# Altium PCB FlexiCan.PcbDoc (part 1 of 2) (continued)
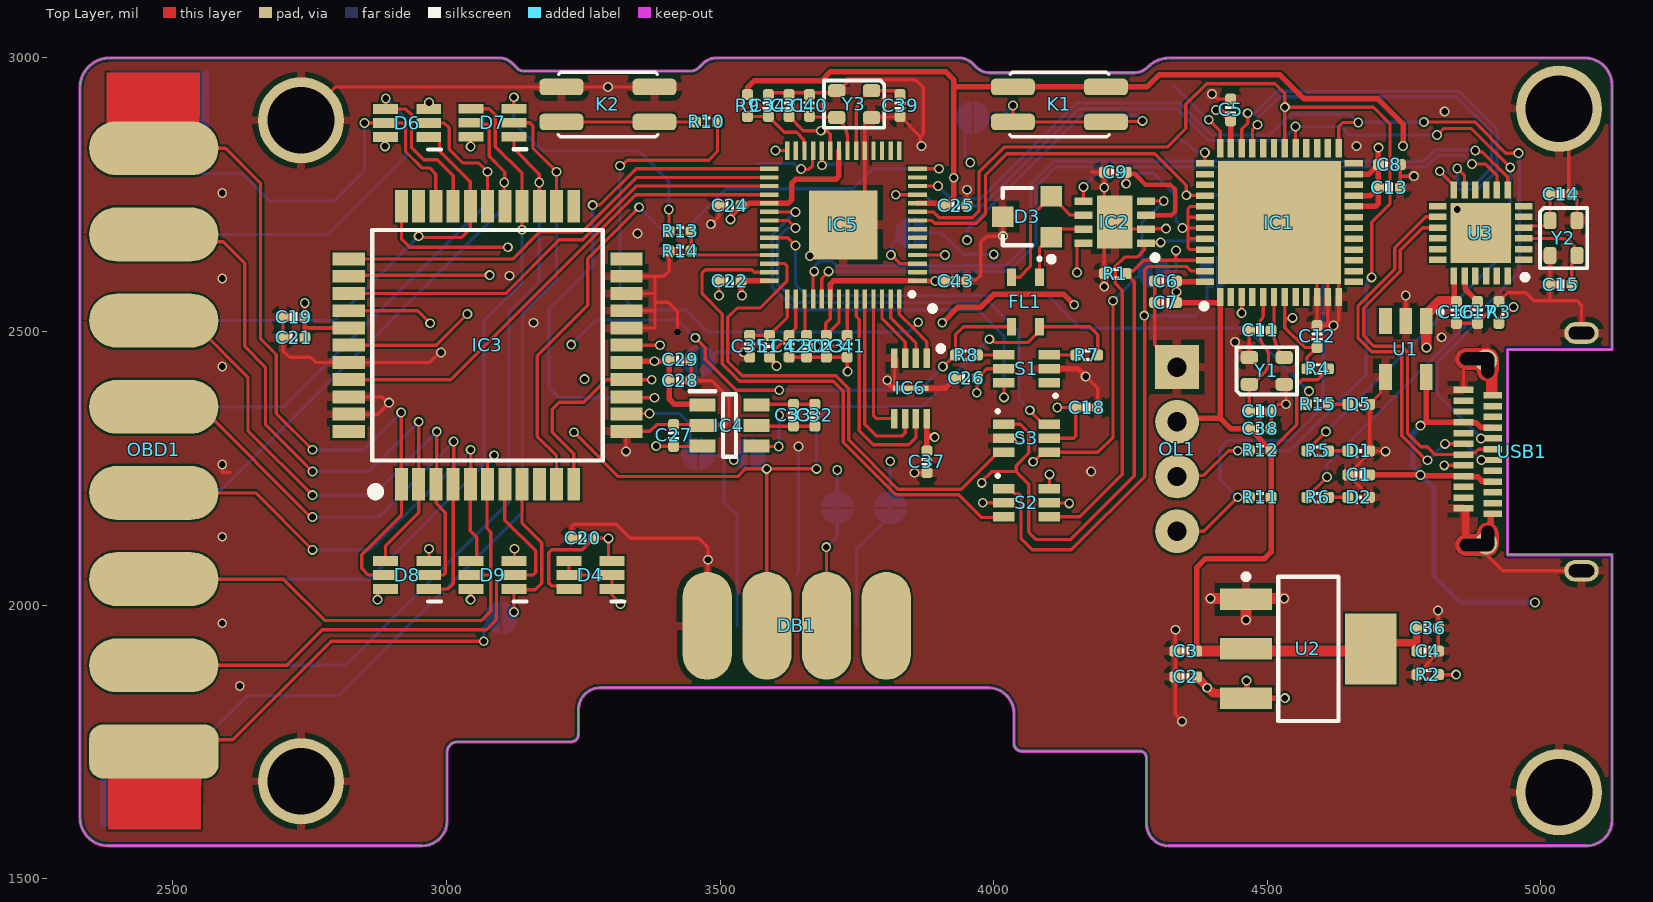
[diagram p0: Top Layer view]
## Footprints (in the part's own frame and the unit in brackets; to place one, negate y for a bottom-side part, rotate by r counter-clockwise, add the part's x,y. Pads: shape width x height; smd on the part's side, far side on the other; paste and mask are expansions set on the pad)
ACM25203012P [mm]
  rect 0.8x0.4 smd: 1(-1.15,0.65) 2(-1.15,-0.65) 3(1.15,-0.65) 4(1.15,0.65)
  silkscreen extent -2.05,0.6 -1.95,0.7, body extent -1.51,-1 1.51,1, height 1.4
ButtonTACT_3.5*3.55_90 [mil]
  rrect50% 80x30 smd: 1(-85,32) 2(-85,-32) 3(85,32) 4(85,-32)
  silkscreen extent -91,-59 91,59, body extent -90,-55 91,85, height 56
CAP_0402 [mil]
  rrect50% 20x20 smd: 1(-20,0) 2(20,0)
  silkscreen extent -6,-9 6,9, body extent -20,-10 20,10, height 20
"DB-9 DS1033-9F" [mm] "DB-9 DS1033-9F COM- Female"
  rect 2.286x5 smd far side: 1(-5.54,2.84)
  oval 2.286x5 smd far side: 2(-2.77,2.84) 3(0,2.84) 4(2.77,2.84) 5(5.54,2.84)
  oval 2.286x5 smd: 6(-4.155,2.84) 7(-1.385,2.84) 8(1.385,2.84) 9(4.155,2.84)
  body extent -15.4,-11.49 15.4,3.61, height 5.35
IND_0402Q [mil]
  rrect50% 20x20 smd: 1(-20,0) 2(20,0)
  silkscreen extent -7,-9 7,9, body extent -20,-10 20,10, height 20
LED_0402_BLUE [mil]
  rrect50% 20x20 smd: 1(-20,0) 2(20,0)
  silkscreen extent -6,-10 6,10, body extent -20,-10 20,10, height 18
LED_0402_GREEN [mil]
  rrect50% 20x20 smd: 1(-20,0) 2(20,0)
  silkscreen extent -6,-10 6,10, body extent -20,-10 20,10, height 18
LED_0402_RED [mil]
  rrect50% 20x20 smd: 1(-20,0) 2(20,0)
  silkscreen extent -6,-10 6,10, body extent -20,-10 20,10, height 18
Molex_217184-0001 [mm]
  rrect100% 0.6x1.6 hole 1.6 slot 0.6 at 0 deg paste-2539.97 mask+0: 1(-4.32,3.35) 2(4.32,3.35)
  round 1.04 smd paste-1000 mask+0: 1(-4.243,2.927) 2(4.242,2.927)
  round 1.04 smd far side paste-1000 mask+0: 1(-4.243,2.927) 2(4.242,2.927)
  rrect100% 1.2x0.6 hole 0.6 slot 1.2 at 0 deg paste-2539.97 mask+0: 1(-4.02,2.85) 2(4.02,2.85)
  rrect100% 1x1.6 hole 1.2 slot 0.6 at 0 deg paste-2539.97 mask+0: 3(-5.52,-1.5) 4(5.52,-1.5)
  rect 0.3x0.95 smd paste+0 mask+0: A1(-2.625,3.975) A2(-2.125,3.975) A3(-1.625,3.975) A4(-1.125,3.975) A5(-0.625,3.975) A6(-0.125,3.975) A7(0.375,3.975) A8(0.875,3.975) A9(1.375,3.975) A10(1.875,3.975) A11(2.375,3.975) A12(2.875,3.975)
  rect 0.3x0.85 smd paste+0 mask+0: B1(2.625,2.625) B2(2.125,2.625) B3(1.625,2.625) B4(1.125,2.625) B5(0.625,2.625) B6(0.125,2.625) B7(-0.375,2.625) B8(-0.875,2.625) B9(-1.375,2.625) B10(-1.875,2.625) B11(-2.375,2.625) B12(-2.875,2.625)
  Top Layer region: 4.82,3.85 4.82,2.85 4.782,2.659 4.674,2.496 4.511,2.388 4.32,2.35 4.32,2.35 3.78,2.35 3.589,2.388 3.426,2.496 3.318,2.659 3.28,2.85 3.28,2.85 3.318,3.041 3.426,3.204 3.589,3.312 3.78,3.35 3.78,3.35 3.795,3.353 3.808,3.362 3.817,3.375 3.82,3.39 3.82,3.39 3.82,3.85 3.858,4.041 3.966,4.204 4.129,4.312 4.32,4.35 4.32,4.35 4.57,4.283 4.753,4.1 4.82,3.85 4.82,3.85
  Top Layer region: -4.82,3.85 -4.82,2.85 -4.782,2.659 -4.674,2.496 -4.511,2.388 -4.32,2.35 -4.32,2.35 -3.78,2.35 -3.589,2.388 -3.426,2.496 -3.318,2.659 -3.28,2.85 -3.28,2.85 -3.318,3.041 -3.426,3.204 -3.589,3.312 -3.78,3.35 -3.78,3.35 -3.795,3.353 -3.808,3.362 -3.817,3.375 -3.82,3.39 -3.82,3.39 -3.82,3.85 -3.858,4.041 -3.966,4.204 -4.129,4.312 -4.32,4.35 -4.32,4.35 -4.57,4.283 -4.753,4.1 -4.82,3.85 -4.82,3.85
  Bottom Layer region: -4.82,3.85 -4.82,2.85 -4.782,2.659 -4.674,2.496 -4.511,2.388 -4.32,2.35 -4.32,2.35 -3.78,2.35 -3.589,2.388 -3.426,2.496 -3.318,2.659 -3.28,2.85 -3.28,2.85 -3.318,3.041 -3.426,3.204 -3.589,3.312 -3.78,3.35 -3.78,3.35 -3.795,3.353 -3.808,3.362 -3.817,3.375 -3.82,3.39 -3.82,3.39 -3.82,3.85 -3.858,4.041 -3.966,4.204 -4.129,4.312 -4.32,4.35 -4.32,4.35 -4.57,4.283 -4.753,4.1 -4.82,3.85 -4.82,3.85
  Bottom Layer region: 4.82,3.85 4.82,2.85 4.782,2.659 4.674,2.496 4.511,2.388 4.32,2.35 4.32,2.35 3.78,2.35 3.589,2.388 3.426,2.496 3.318,2.659 3.28,2.85 3.28,2.85 3.318,3.041 3.426,3.204 3.589,3.312 3.78,3.35 3.78,3.35 3.795,3.353 3.808,3.362 3.817,3.375 3.82,3.39 3.82,3.39 3.82,3.85 3.858,4.041 3.966,4.204 4.129,4.312 4.32,4.35 4.32,4.35 4.57,4.283 4.753,4.1 4.82,3.85 4.82,3.85
  body extent -6.12,-4.15 6.12,4.55, height 0.25
"OLED 0.91 I2C" [mil]
  rect 80x80 hole 35.43: 1(0,0.04)
  round 80 hole 35.43: 2(0,100.04) 3(0,200.04) 4(0,300.04)
  body extent -64,-92 1444,384, height 209
QFN50P400X400X80-25N-D [mm]
  rect 0.8x0.3 smd: 1(-2,1.25) 2(-2,0.75) 3(-2,0.25) 4(-2,-0.25) 5(-2,-0.75) 6(-2,-1.25) 13(2,-1.25) 14(2,-0.75) 15(2,-0.25) 16(2,0.25) 17(2,0.75) 18(2,1.25)
  rect 0.3x0.8 smd: 7(-1.25,-2) 8(-0.75,-2) 9(-0.25,-2) 10(0.25,-2) 11(0.75,-2) 12(1.25,-2) 19(1.25,2) 20(0.75,2) 21(0.25,2) 22(-0.25,2) 23(-0.75,2) 24(-1.25,2)
  rect 2.8x2.8 smd: 25(0,0)
  silkscreen extent -2.18,1.93 -1.93,2.17, body extent -2.05,-2.05 2.05,2.05, height 0.8
QFN50P700X700X65-49N-D [mm]
  rect 0.85x0.3 smd: 1(-3.45,2.75) 2(-3.45,2.25) 3(-3.45,1.75) 4(-3.45,1.25) 5(-3.45,0.75) 6(-3.45,0.25) 7(-3.45,-0.25) 8(-3.45,-0.75) 9(-3.45,-1.25) 10(-3.45,-1.75) 11(-3.45,-2.25) 12(-3.45,-2.75) 25(3.45,-2.75) 26(3.45,-2.25) 27(3.45,-1.75) 28(3.45,-1.25) 29(3.45,-0.75) 30(3.45,-0.25) 31(3.45,0.25) 32(3.45,0.75) 33(3.45,1.25) 34(3.45,1.75) 35(3.45,2.25) 36(3.45,2.75)
  rect 0.3x0.85 smd: 13(-2.75,-3.45) 14(-2.25,-3.45) 15(-1.75,-3.45) 16(-1.25,-3.45) 17(-0.75,-3.45) 18(-0.25,-3.45) 19(0.25,-3.45) 20(0.75,-3.45) 21(1.25,-3.45) 22(1.75,-3.45) 23(2.25,-3.45) 24(2.75,-3.45) 37(2.75,3.45) 38(2.25,3.45) 39(1.75,3.45) 40(1.25,3.45) 41(0.75,3.45) 42(0.25,3.45) 43(-0.25,3.45) 44(-0.75,3.45) 45(-1.25,3.45) 46(-1.75,3.45) 47(-2.25,3.45) 48(-2.75,3.45)
  rect 5.7x5.7 smd: 49(0,0)
  silkscreen extent -4,3.37 -3.75,3.62, body extent -3.55,-3.55 3.55,3.55, height 0.65
QFP80P1350X1350X150-44N [mm]
  rect 1.5x0.6 smd: 1(-6.45,4) 2(-6.45,3.2) 3(-6.45,2.4) 4(-6.45,1.6) 5(-6.45,0.8) 6(-6.45,0) 7(-6.45,-0.8) 8(-6.45,-1.6) 9(-6.45,-2.4) 10(-6.45,-3.2) 11(-6.45,-4) 23(6.45,-4) 24(6.45,-3.2) 25(6.45,-2.4) 26(6.45,-1.6) 27(6.45,-0.8) 28(6.45,0) 29(6.45,0.8) 30(6.45,1.6) 31(6.45,2.4) 32(6.45,3.2) 33(6.45,4)
  rect 0.6x1.5 smd: 12(-4,-6.45) 13(-3.2,-6.45) 14(-2.4,-6.45) 15(-1.6,-6.45) 16(-0.8,-6.45) 17(0,-6.45) 18(0.8,-6.45) 19(1.6,-6.45) 20(2.4,-6.45) 21(3.2,-6.45) 22(4,-6.45) 34(4,6.45) 35(3.2,6.45) 36(2.4,6.45) 37(1.6,6.45) 38(0.8,6.45) 39(0,6.45) 40(-0.8,6.45) 41(-1.6,6.45) 42(-2.4,6.45) 43(-3.2,6.45) 44(-4,6.45)
  silkscreen extent -7,-5.35 5.35,5.4, body extent -6.75,-6.75 6.75,6.75, height 1.5
RES_0402 [mil]
  rrect50% 20x20 smd: 1(-20,0) 2(20,0)
  silkscreen extent -6,-10 6,10, body extent -20,-10 20,10, height 14
RP2040TR13 [mm]
  rect 0.875x0.2 smd: 1(-3.438,2.6) 2(-3.438,2.2) 3(-3.438,1.8) 4(-3.438,1.4) 5(-3.438,1) 6(-3.438,0.6) 7(-3.438,0.2) 8(-3.438,-0.2) 9(-3.438,-0.6) 10(-3.438,-1) 11(-3.438,-1.4) 12(-3.438,-1.8) 13(-3.438,-2.2) 14(-3.438,-2.6) 29(3.438,-2.6) 30(3.438,-2.2) 31(3.438,-1.8) 32(3.438,-1.4) 33(3.438,-1) 34(3.438,-0.6) 35(3.438,-0.2) 36(3.438,0.2) 37(3.438,0.6) 38(3.438,1) 39(3.438,1.4) 40(3.438,1.8) 41(3.438,2.2) 42(3.438,2.6)
  rect 0.2x0.875 smd: 15(-2.6,-3.438) 16(-2.2,-3.438) 17(-1.8,-3.438) 18(-1.4,-3.438) 19(-1,-3.438) 20(-0.6,-3.438) 21(-0.2,-3.438) 22(0.2,-3.438) 23(0.6,-3.438) 24(1,-3.438) 25(1.4,-3.438) 26(1.8,-3.438) 27(2.2,-3.438) 28(2.6,-3.438) 43(2.6,3.438) 44(2.2,3.438) 45(1.8,3.438) 46(1.4,3.438) 47(1,3.438) 48(0.6,3.438) 49(0.2,3.438) 50(-0.2,3.438) 51(-0.6,3.438) 52(-1,3.438) 53(-1.4,3.438) 54(-1.8,3.438) 55(-2.2,3.438) 56(-2.6,3.438)
  rect 3.2x3.2 smd: 57(0,0)
  silkscreen extent -3.24,3.17 -3.14,3.27, body extent -3.5,-3.5 3.5,3.5, height 1
SB2_NC [mm]
  round 0.2 smd: 1(-0.361,0) 2(0.361,0)
  Top Layer region: -0.075,0.758 -0.424,0.633 -0.672,0.359 -0.762,0 -0.762,0 -0.672,-0.359 -0.424,-0.633 -0.075,-0.758 -0.075,-0.758
  Top Layer region: 0.075,0.758 0.424,0.633 0.672,0.359 0.762,0 0.762,0 0.672,-0.359 0.424,-0.633 0.075,-0.758 0.075,-0.758
  Top Layer lines w0.152: 0.361,0 -0.361,0
  silkscreen extent -1,-1 1,1
SB2_NO [mm]
  round 0.2 smd: 1(-0.361,0) 2(0.361,0)
  Top Layer region: 0.075,0.758 0.424,0.633 0.672,0.359 0.762,0 0.762,0 0.672,-0.359 0.424,-0.633 0.075,-0.758 0.075,-0.758
  Top Layer region: -0.075,0.758 -0.424,0.633 -0.672,0.359 -0.762,0 -0.762,0 -0.672,-0.359 -0.424,-0.633 -0.075,-0.758 -0.075,-0.758
  silkscreen extent -1,-1 1,1
"SMT Test Point" [mm]
  round 1 smd paste-0.5: 1(0,0)
  silkscreen extent -0.8,-0.8 0.8,0.8, body extent -0.5,-0.5 0.5,0.5, height 0.1
SON50P300X200X60-9N [mm]
  rect 0.9x0.3 smd: 1(-1.4,0.75) 2(-1.4,0.25) 3(-1.4,-0.25) 4(-1.4,-0.75) 5(1.4,-0.75) 6(1.4,-0.25) 7(1.4,0.25) 8(1.4,0.75)
  rect 0.25x1.65 smd: 9(0,0)
  silkscreen extent -1.97,1.28 -1.73,1.53, body extent -1.55,-1 1.55,1, height 0.6
SON65P300X300X100-9N [mm]
  rect 0.85x0.35 smd: 1(-1.45,0.975) 2(-1.45,0.325) 3(-1.45,-0.325) 4(-1.45,-0.975) 5(1.45,-0.975) 6(1.45,-0.325) 7(1.45,0.325) 8(1.45,0.975)
  rect 1.65x2.45 smd: 9(0,0)
  silkscreen extent -2,1.53 -1.75,1.77, body extent -1.55,-1.5 1.55,1.5, height 1
SOT23-3 [mm]
  rect 0.95x1 smd: 1(-0.95,-1.125) 2(0.95,-1.125) 3(0,1.125)
  silkscreen extent -2.1,-1.25 1.32,1.13, body extent -1.45,-0.65 1.45,0.65, height 1
SOT65P222X120-6N [mm]
  rect 1.15x0.45 smd: 1(-1,0.65) 2(-1,0) 3(-1,-0.65) 4(1,-0.65) 5(1,0) 6(1,0.65)
  silkscreen extent -1.58,1.22 -0.98,1.22, body extent -1.1,-0.99 1.1,1.01, height 1.01
SOT65P230X110-6N [mm]
  rect 1x0.45 smd: 1(-1.05,0.65) 2(-1.05,0) 3(-1.05,-0.65) 4(1.05,-0.65) 5(1.05,0) 6(1.05,0.65)
  silkscreen extent -1.35,1.25 -1.34,1.25, body extent -1.15,-1.05 1.15,1.05, height 1.1
SOT95P280X145-6N [mm]
  rect 1.2x0.6 smd: 1(-1.25,0.95) 2(-1.25,0) 3(-1.25,-0.95) 4(1.25,-0.95) 5(1.25,0) 6(1.25,0.95)
  silkscreen extent -1.85,-1.45 0.3,1.6, body extent -1.4,-1.45 1.4,1.45, height 1.45
SOT95P285X130-5N [mm]
  rect 1.2x0.6 smd: 1(-1.3,0.95) 2(-1.3,0) 3(-1.3,-0.95) 4(1.3,-0.95) 5(1.3,0.95)
  silkscreen extent -1.74,1.61 -1.68,1.61, body extent -1.43,-1.5 1.43,1.5, height 1.3
SOT223 [mm]
  rect 1x2.4 smd: 1(-2.3,-2.9) 2(0,-2.9) 3(2.3,-2.9)
  rect 3.3x2.4 smd: 4(0,2.9)
  silkscreen extent -3.47,-3.02 3.35,1.4, body extent -3.25,-3.56 3.25,3.4, height 1.68
ST-SOM-012A [mm]
  rect 2.5x6 smd far side: 1(-2.811,4.716)
  oval 2.5x6 smd far side: 2(1.189,4.716) 3(5.189,4.716) 4(9.189,4.716) 5(13.189,4.716) 6(17.189,4.716) 7(21.189,4.716) 8(25.189,4.716)
  oval 2.5x6 smd: 9(-2.811,4.716) 10(1.189,4.716) 11(5.189,4.716) 12(9.189,4.716) 13(13.189,4.716) 14(17.189,4.716) 15(21.189,4.716)
  rrect50% 2.5x6 smd: 16(25.189,4.716)
  body extent -8.95,-18.72 31.29,5.28, height 9
XT-2520 [mm]
  rrect50% 0.8x0.6 smd: 1(-0.81,-0.625) 2(0.81,-0.625) 3(0.81,0.625) 4(-0.81,0.625)
  silkscreen extent -1.4,-1.1 1.4,1.1, body extent -1.3,-1.05 1.3,1.05, height 0.55

## Part data
C1 C2 C3 C4 C5 C6 C7 C10 C11 C12 C13 C14 C15 C16 C17 C18 C19 C20 C21 C22 C23 C24 C25 C26 C27 C28 C29 C30 C31 C32 C33 C34 C35 C36 C37 C38 C39 C40 C41 C42 C43: library part C_0402, "Capacitor"
C8 C9: library part CM, "Cap SMD"
D1 D2 D5: library part LED_0402, "LED", Type=0402
D3: library part PESD5V0S2BT,215, "TVS DIODE 5V 14V SOT23", Manufacturer="Nexperia USA Inc.", Created by=eteofilo, Creation date=17-Apr-2018, Manufacturer part #=PESD5V0S2BT,215
D4 D6 D7 D8 D9: "Schottky Diode", Arrow Part Number=BAT54CDW-TP, Manufacturer_Name=MCC, Mouser Part Number=833-BAT54CDW-TP, Arrow Price/Stock=https://www.arrow.com/en/products/bat54cdw-tp/micro-commercial-components, Datasheet Link=https://www.mccsemi.com/pdf/Products/BAT54CDW(SOT-363).pdf, Height=1.2mm, Manufacturer_Part_Number=BAT54CDW-TP, Mouser Price/Stock=https://www.mouser.co.uk/ProductDetail/Micro-Commercial-Components-MCC/BAT54CDW-TP/?qs=O2qRfqcg9D8JitxPtsrWSg%3D%3D
DB1: library part DB9-F, "DS1033-9F (DB-9F) Female"
FL1: library part ACM2520-301-2PL-TL01_1, "Common Mode Filters", Arrow Part Number=ACM9070-701-2PL-TL01, Manufacturer_Name=TDK, Mouser Part Number=810-ACM90707012PLTL, Arrow Price/Stock=https://www.arrow.com/en/products/acm9070-701-2pl-tl01/tdk, Datasheet Link=http://www.mouser.com/ds/2/400/e9713_acm-16715.pdf, Height=4.5mm, Manufacturer_Part_Number=ACM9070-701-2PL-TL01, Mouser Price/Stock=https://www.mouser.co.uk/ProductDetail/TDK/ACM9070-701-2PL-TL01?qs=vGA93s6UehfkQlsVzBqdDg%3D%3D
IC1: "Integrated Circuit", Manufacturer_Name=STMicroelectronics, Mouser Part Number=511-STM32G431CBU6, Arrow Part Number=STM32G431CBU6, Arrow Price/Stock=https://www.arrow.com/en/products/stm32g431cbu6/stmicroelectronics?region=nac, Datasheet Link=https://www.st.com/resource/en/datasheet/stm32g431cb.pdf, Height=0.65mm, Manufacturer_Part_Number=STM32G431CBU6, Mouser Price/Stock=https://www.mouser.co.uk/ProductDetail/STMicroelectronics/STM32G431CBU6?qs=T3oQrply3y%252B0hTuSHQ7oqA%3D%3D
IC2: library part SIT1044QTK/3, "https://item.taobao.com/item.htm?spm=a21n57.1.0.0.730f50e55xYJuK&id=715328337189&ns=1&abbucket=13#detail", Arrow Part Number=TJA1044VTKZ, Manufacturer_Name=NXP, Mouser Part Number=771-TJA1044VTKZ, Arrow Price/Stock=https://www.arrow.com/en/products/tja1044vtkz/nxp-semiconductors?region=nac, Datasheet Link=http://www.nxp.com/docs/en/data-sheet/TJA1044V.pdf, Height=1mm, Manufacturer_Part_Number=TJA1044VTKZ, Mouser Price/Stock=https://www.mouser.co.uk/ProductDetail/NXP-Semiconductors/TJA1044VTKZ?qs=wUXugUrL1qx6DvcsX%252BFKdw%3D%3D
IC3: "Integrated Circuit", Manufacturer_Name=WCH, Datasheet Link=https://www.wch-ic.com/downloads/file/133.html?time=2024-02-26%2022:42:14&code=TqfNujBDGjF109JnJMuaEY51vRDXux8eMvS4ANAZ, Height=1.5mm, Manufacturer_Part_Number=CH446Q
IC4: "Integrated Circuit", Manufacturer_Name="Texas Instruments", Mouser Part Number=595-LM2776DBVR, Arrow Part Number=LM2776DBVR, Arrow Price/Stock=https://www.arrow.com/en/products/lm2776dbvr/texas-instruments?region=nac, Datasheet Link=http://www.ti.com/lit/gpn/lm2776, Height=1.45mm, Manufacturer_Part_Number=LM2776DBVR, Mouser Price/Stock=https://www.mouser.co.uk/ProductDetail/Texas-Instruments/LM2776DBVR?qs=GJ%2F2ZGcr5uNWFBSWrQXDWw%3D%3D
IC5: "Integrated Circuit", Manufacturer_Name=RASPBERRY-PI, Datasheet Link=https://www.farnell.com/datasheets/3213406.pdf, Height=0.9mm, Manufacturer_Part_Number=RP2040TR13
IC6: "Integrated Circuit", Manufacturer_Name=Winbond, Datasheet Link=https://www.winbond.com/hq/search-resource-file.jsp?partNo=W25Q16JVUXIQ&type=datasheet, Height=0.6mm, Manufacturer_Part_Number=W25Q16JVUXIQ
K1 K2: library part ButtonTACT, "Button", Type="TACT 4P"
L1: library part Ind_0402, "Inductor", Specification="±5% 100mA", Type=0402
OBD1: "ST-SOM-012A OBD II Connector"
OL1: library part "OLED 0.91 128*32", "HS HS91L02W2C01  / SSD1306 I2C 128x32 0.91 - Organic Light Emitting Diode Display Screen ROHS"
R1 R5 R6 R13 R14 R15: library part R, "Resistor R1/4W"
R2 R3 R4 R7 R8 R9 R10 R11 R12: library part R-0402, "Resistor"
S1 S2 S3: "Switch", Manufacturer_Name=SGMICRO, Manufacturer_Part_Number=SGM3157YC6/TR, Datasheet Link=https://pdf1.alldatasheet.com/datasheet-pdf/view/224033/SGMICRO/SGM3157YC6/TR.html, Height=1.1mm
SB1 SB2 SB9 SB10: library part "SB 2 NC", "Solder Bridge 2", Solder="Not Fill"
SB3 SB4 SB5 SB6 SB7 SB8: library part "SB 2 NO", "Solder Bridge 2", Solder="Not Fill"
TP1 TP2 TP3 TP4: "PCB TEST POINT SMT 1mm", Created by=gmoreno, Creation date=26-Apr-2012
U1: library part SY6288_EN_L, "SY6288B/D/E Active Low"
U2: library part AMS117
U3: "CH334F Hub USB / C5187527", JLCPCB Part #=C5187527
USB1: "USB-C (USB TYPE-C) USB 3.2 Gen 2 (USB 3.1 Gen 2, Superspeed + (USB 3.1)) Receptacle Connector 24 Position Surface Mount, Right Angle; Through Hole", Package=None, Availability="In Stock", Check_prices=https://www.snapeda.com/parts/USB4080-03-A/Global+Connector+Technology/view-part/?ref=eda, MF="Global Connector Technology", MP=USB4080-03-A, Price=None, Purchase-URL=https://pricing.snapeda.com/search/part/USB4080-03-A/?ref=eda, SnapEDA_Link=https://www.snapeda.com/parts/USB4080-03-A/Global+Connector+Technology/view-part/?ref=snap
Y1 Y2 Y3: library part XT-4Pin, "XT-2520", Package="SMD-6 ECS International", Availability=Unavailable, MF="ECS International", MP=ECS-3225S30-240-EN-TR, Price="0.75 USD"

## Free pads (board coordinates)
  round 157.48 hole 122.05: 9(2734,1678) 9(2734,2886) 9(5033,1658) 9(5033,2907)

## Via types
v1: diameter 18, hole 12.3, Top Layer to Bottom Layer, tented both sides, 200 vias
v2: diameter 12.3, hole 12.3, Top Layer to Bottom Layer, tented both sides, 1 vias

## Nets (pads, with @x,y where several pads share a name; then routed paths per layer and width w, separated by ;. In a path a pad name is that pad's centre, name@x,y a point inside that pad or via, vN(x,y) a via of type N, cw(c..) or ccw(c..) an arc to the next point about the centre after c; other vN are vias at no path point)
1V1: C30.2 C31.2 C41.2 IC5.23 IC5.45 IC5.50 | length 784.6
  Top Layer w6: C31.2@3626,2894 C31.2@3626,2893 3652,2867 v1(3684,2867) 3695,2867 3701.38,2860.62 IC5.23@3701.38,2830.35 ; IC5.45@3654.13,2559.65 3655.07,2558.71 3655.07,2495.93 C30.2@3658,2493 3658,2492.31 3676.2,2474.1 v1(3676.2,2473.41) 3712.41,2473.41 C41.2@3732,2493 3732.44,2493.44 3732.44,2559.21 IC5.50@3732.87,2559.65
  Layer 1 w6: v1(3676.2,2473.41) 3734,2531.2 3734,2817 v1(3684,2867)
3V3: C3.2 C4.2 C5.2 C6.2 C7.2 C8.1 C13.2 C17.2 C22.2 C23.2 C24.2 C25.2 C36.1 C37.2 C38.2 C42.2 C43.2 IC1.1 IC1.20 IC1.21 IC1.23 IC1.35 IC1.48 IC5.1 IC5.10 IC5.22 IC5.33 IC5.42 IC5.44 IC5.48 IC5.49 IC6.8 K1.1 K1.3 L1.2 OL1.2 R4.2 R9.2 R11.2 R12.2 U2.2 U2.4 U3.20 | length 7637.6
  Top Layer w6: L1.2@3590,2453 3595.77,2458.77 3595.77,2462.77 C42.2@3626,2493 3626,2494.08 3638.39,2506.47 IC5.44@3638.39,2559.65 ; C23.2@3693,2499 3693,2515 3701.38,2523.38 IC5.48@3701.38,2559.65 ; C23.2@3694,2499 C23.2@3694,2493 3717.13,2516.13 IC5.49@3717.13,2559.65 ; R12.2@4507,2283 4554,2330 4554,2402 4564,2412 4592,2412 R4.2@4612,2432
  Top Layer w10: v1@3521.3,2713.3 C24.2@3538,2730 ; C22.2@3538,2592 3539,2591 3539,2567 v1(3540,2566) ; C22.2@3547.72,2592.64 IC5.42@3589.65,2592.64 ; 3549,2730 3553.37,2734.37 IC5.33@3589.65,2734.37 3624.37,2734.37 3631,2741 3631,2771 3638,2778 3711.27,2778 3717.13,2783.86 IC5.22@3717.13,2830.35 ; R9.2@3550,2933 3550,2946 3562,2958 3685,2958 3702,2975 3912,2975 3927,2960 3927,2947 ; L1.2@3590,2453 3601.47,2441.53 3601.47,2438.53 v1(3603,2437) ; IC5.48@3701.38,2559.65 3701.38,2586.78 3707.24,2592.64 IC5.1@3860.35,2592.64 3860.67,2592.32 v1(3893,2592.32) ; IC5.10@3860.35,2734.37 3906.63,2734.37 C25.2@3911,2730 3927,2746 v1(3927,2781) 3927,2947 ; IC6.8@3877.53,2340.88 3877.76,2340.65 3877.76,2311.44 ; C37.2@3878,2282 3877.76,2282.24 3877.76,2311.44 ; v1(3892,2307) 3889.7,2309.3 3879.91,2309.3 3877.76,2311.44 ; OL1.2@4335,2335 4341.73,2341.73 4413.73,2341.73 ; C3.2@4371,1916 4371,2069 4387,2085 4495,2085 4507,2097 R11.2@4507,2197 R12.2@4507,2283 4473,2317 4472,2317 C38.2@4467,2322 4433.46,2322 4413.73,2341.73 ; IC1.48@4386.17,2590.73 4385.54,2591.37 4334.63,2591.37 C6.2@4334,2592 v1(4334,2572.5) C7.2@4334,2553 4410.83,2553 IC1.1@4413.73,2555.91 ; IC1.1@4413.73,2563.17 IC1.1@4413.73,2555.91 ; 4415.3,2902.7 C5.2@4433,2885 4433.21,2884.79 4433.21,2835.04 IC1.35@4433.42,2834.83 ; IC1.20@4657.83,2728.53 4697.53,2728.53 4703,2734 C13.2@4703,2763 ; IC1.21@4657.83,2748.21 4688.21,2748.21 C13.2@4703,2763 ; IC1.23@4657.83,2787.58 4685.58,2787.58 C8.1@4703,2805 ; U2.4@4689.17,1920 U2.4@4700.67,1931.5 ; v1(4703,2836) C8.1@4703,2805 ; v1(4748,2839) 4748,2879 4702,2925 4567,2925 4523,2969 4302,2969 4280,2947 K1.3@4205,2947 K1.1@4035,2947 3927,2947 ; U3.20@4860.47,2601.26 4861.38,2600.35 4861.38,2577.91 C17.2@4884.39,2554.89 4865.5,2536 v1(4865,2536) ; 4413.73,2341.73 IC1.1@4413.73,2555.91 ; C13.2@4703,2763 C8.1@4703,2805
  Top Layer w14: U2.4@4700.67,1931.5 4773,1931.5 ; C4.2@4773,1916 4773,1931.5 ; C36.1@4773,1951 4773,1931.5
  Top Layer w20: C3.2@4371,1916 U2.4@4685.17,1916
  Layer 1 w10: v1(3519,2705) 3521,2707 3521,2723 3541,2743 3578.8,2743 ; v1(3540,2566) 3578.8,2604.8 3578.8,2743 ; v1(3603,2437) 3635.5,2469.5 3636.5,2469.5 ; v1(3892,2307) 3799,2307 3660,2446 ; v1(3927,2781) 3927,2759 3862,2694 3862,2623.32 v1(3893,2592.32) 3893,2565 3882,2554 3799,2554 3775,2530 3691,2446 3660,2446 ; v1(4334,2572.5) 4449.5,2572.5 4472,2595 4472,2807 ; v1(4406,2905) 4472,2839 4472,2807 ; v1(4865,2536) 4865,2574 4902,2611 4902,2834.74 4887.54,2849.2 4848.2,2849.2 4838,2839 4724,2839 4722.53,2837.53 4704.53,2837.53 v1(4703,2836) 4674,2807 4472,2807 ; 3578.8,2743 3582.8,2747 3582.8,2838.54 3593.46,2849.2 3608.54,2849.2 3619.2,2838.54 3619.2,2486.8 3636.5,2469.5 ; 3636.5,2469.5 3660,2446
5VDC: C2.2 C9.1 C16.2 C18.2 C26.2 C27.2 IC2.3 IC4.3 S1.5 S2.5 S3.5 U1.1 U2.3 U3.19 | length 3569.1
  Top Layer w6: v1(3383,2291) 3383.5,2290.5 3414.5,2290.5 C27.2@3415,2290 3467.19,2290 IC4.3@3467.79,2290.6 ; v1(3969,2388) 3969.5,2388.5 3969.5,2414.5 C26.2@3970,2415 3987,2432 S1.5@4018.66,2432 ; S2.5@4101.34,2187 4101.84,2186.5 4137.5,2186.5 v1(4138,2186) ; S3.5@4101.34,2305 4146,2305 4150,2309 C18.2@4150,2361 v1(4116,2361)
  Top Layer w8: v1(4242,2770) C9.1@4242,2791 4244.52,2788.48 4257.52,2788.48 4278,2768 4323,2768 4332,2759 4332,2720 4324.8,2712.8 IC2.3@4278.09,2712.8
  Top Layer w10: v1(3906,2516) 3934,2544 3976,2544 4000,2568 4128,2568 v1(4147,2549) ; U2.3@4446.14,1844.13 4451.53,1838.75 U2.3@4460.83,1829.45 U2.3@4461.38,1830 ; v1(4462,1862) 4462,1830.62 U2.3@4461.38,1830 ; v1(4532,1830) U2.3@4461.38,1830 ; U3.19@4840.79,2601.26 4841.69,2600.35 4841.69,2558.59 C16.2@4845.39,2554.89
  Top Layer w16: C2.2@4371,1869 4389.62,1850.38 4389.62,1849.38 v1(4390,1849) ; v1@4391.38,1848.62 4401.25,1838.75 U2.3@4451.53,1838.75
  Top Layer w20: v1(4791,2471) 4790.4,2471.6 U1.1@4790.4,2519.18 4790.4,2530.99 4814.3,2554.89 C16.2@4845.39,2554.89
  Layer 1 w6: v1(4116,2361) 4149,2328 4149,2217 4150,2216
  Layer 1 w10: 3386,2195 3962.26,2195 3972.46,2205.2 3987.54,2205.2 3997.74,2195 4049,2195 ; v1(3906,2516) 3949,2473 3949,2399 ; v1(3969,2388) 3969,2275 4049,2195 ; v1(4147,2549) 4144.84,2549 4129.16,2564.67 4125.33,2564.67 4115,2575 4115,2640 4137,2662 4223,2662 4242,2681 v1(4242,2770) ; v1(4390,1849) 4390,1979 4174,2195 4049,2195
  Layer 1 w20: v1(3383,2291) 3383,2198 3386,2195 ; 4781,2123 4781,2162 ; 4787,2355 4791,2359 v1(4791,2471)
-5V_VEE: C28.2 C29.2 IC3.16 IC4.1 SB8.1 | length 284.4
  Top Layer w10: IC3.16@3328.94,2443.5 3331.18,2445.75 v1(3380,2445.75) 3404.75,2445.75 C29.2@3407,2448 C28.2@3407,2410 3407,2377 3417,2367 3466.19,2367 IC4.1@3467.79,2365.4
  Bottom Layer w10: v1(3380,2445.75) 3380.25,2446 SB8.1@3447.79,2446
BUZZER: IC5.15
CAN2H: IC3.11 IC3.15 SB2.2 SB5.2 | length 953.2
  Top Layer w6: IC3.11@3232.48,2221.06 3232.48,2276.52 3193,2316 3193,2358 3206,2371 3251,2371 3292.01,2412.01 IC3.15@3328.94,2412.01 v1(3375,2412)
  Layer 1 w6: v1(3375,2412) 3343,2380 3343,2330 3351,2322 3468,2322 v1(3524.8,2265.21) 3655.21,2265.21 3666,2276 3707,2276 3714,2269 v1(3714,2247)
  Bottom Layer w6: v1(3524.8,2265.21) 3527.28,2265.21 3538.07,2276 SB5.2@3538.58,2276 ; SB2.2@3714,2192.21 v1(3714,2247)
CAN2L: IC3.13 IC3.17 SB1.1 SB4.2 | length 926.6
  Top Layer w6: IC3.13@3328.94,2349.02 3329.92,2350 v1(3371,2350) ; IC3.17@3328.94,2475 v1(3390,2475)
  Layer 1 w6: v1(3371,2350) 3424,2350 ; v1(3390,2475) 3424,2441 3424,2350 ; v1(3811,2263) 3794,2280 3730,2280 3696,2314 3535,2314 3499,2350 3424,2350
  Bottom Layer w6: v1(3371,2350) 3426,2350 3445.58,2330.42 SB4.2@3445.58,2276 ; SB1.1@3811,2192.21 v1(3811,2263)
CAN_LED_RX: IC1.25 IC5.12 R6.1 | length 2119
  Top Layer w6: IC5.12@3860.35,2765.87 IC5.12@3860.35,2765.87 3897.93,2765.93 v1(3898,2766) ; R6.1@4572,2197 v1(4609,2234) ; IC1.25@4630.27,2834.83 4630.27,2874.27 4638,2882 v1(4666,2882) ; v1(4786,2883) 4879,2883 4936,2826 v1(4959,2826)
  Bottom Layer w6: v1(3898,2766) 3921.2,2742.8 3976.24,2742.8 4151.44,2918 4339,2918 4397.8,2859.2 4504.66,2859.2 4542.46,2897 4651,2897 v1(4666,2882) ; v1(4609,2234) 4609,2257.09 4960.2,2608.29 4960.2,2824.8 v1(4959,2826) ; v1@4666.55,2882.5 4785.5,2882.5 v1(4786,2883)
CAN_LED_TX: IC1.29 IC5.11 R5.1 | length 2031.2
  Top Layer w6: v1(3821,2750) 3821.06,2750.06 3860.3,2750.06 IC5.11@3860.35,2750.12 ; IC1.29@4551.53,2834.83 v1(4551.53,2874.53) ; R5.1@4572,2282 v1(4607,2317) ; v1(4810,2859) 4822,2871 4873,2871 v1(4944,2800)
  Bottom Layer w6: v1(3821,2750) 3874,2750 3894,2730 3979,2730 4156,2907 4335,2907 4393,2849 4526,2849 v1(4551.53,2874.53) 4635.47,2874.53 4651,2859 v1(4810,2859) ; v1(4607,2317) 4944,2654 v1(4944,2800)
CAN_RES: IC5.34 S1.6 | length 802.8
  Top Layer w6: IC5.34@3589.65,2718.62 v1(3637.62,2718.62) ; v1(4018.66,2379.66) S1.6@4018.66,2406.41
  Bottom Layer w6: v1(3637.62,2718.62) 3595,2676 3595,2581 3636,2540 3970.51,2540 4018.66,2491.85 v1(4018.66,2379.66)
CAN_SOURCE: IC5.35 S2.6 S3.6 | length 1012.7
  Top Layer w6: IC5.35@3589.65,2702.87 3624.13,2702.87 v1@3638,2689 ; v1(4066,2356) 4066,2355.1 4090.51,2330.59 S3.6@4101.34,2330.59 ; S2.6@4101.34,2212.59 4102,2213.25 v1(4102,2239)
  Layer 1 w6: v1(4066,2356) 4102,2320 v1(4102,2239)
  Bottom Layer w6: v1(3637.62,2689) 3622.42,2689 3605.2,2671.78 3605.2,2586.8 3639,2553 3993,2553 4046,2500 4046,2376 v1(4066,2356)
CAN_VIO: IC1.41 IC1.42 IC1.43 IC1.44 IC1.45 IC2.5 | length 528.7
  Top Layer w6: IC2.5@4163.91,2738.39 v1(4163.91,2764.09) ; v1(4345.16,2689.16) 4355,2689.16 ; IC1.45@4386.17,2649.79 4358.51,2649.79 4355,2653.3 4355,2669.47 ; IC1.44@4386.17,2669.47 4355,2669.47 ; IC1.43@4386.17,2689.16 4356.84,2689.16 ; IC1.42@4386.17,2708.84 4355.84,2708.84 4355,2708 ; IC1.41@4386.17,2728.53 4359.53,2728.53 4355,2724 4355,2708 ; 4355,2669.47 4355,2689.16 ; 4355,2689.16 4355,2691 ; 4355,2689.16 4356.84,2689.16 ; 4355,2691 4356.84,2689.16 ; 4355,2691 4355,2708
  Bottom Layer w6: v1(4163.91,2764.09) 4188.83,2789 4292,2789 4333,2748 4333,2702.46 4345.16,2690.3 v1(4345.16,2689.16)
CANH: DB1.7 FL1.4 IC3.35 IC3.39 R7.1 SB5.1 | length 2518.7
  Top Layer w6: IC3.39@2821.06,2475 2981,2475 v1(3038,2532) ; IC3.35@2821.06,2600.98 2823.08,2603 v1(3078.8,2603) ; v1(3233,2316) 3258,2291 3314,2235 3532,2235 3546,2249 v1(3585,2249) ; DB1.7@3585.47,1962.2 3585.24,1962.44 3585.24,2248.76 v1(3585,2249) ; v1(3676,2249) v1(3585,2249) ; v1(3992,2486) 3995.25,2486 4001.25,2480 4062.74,2480 4083.59,2500.85 FL1.4@4083.59,2508.72 4175.28,2508.72 4190,2494 R7.1@4190,2457
  Layer 1 w6: v1(3078.8,2603) 3038,2562.2 v1(3038,2532) 3038,2478 3065,2451 3214,2451 3252.67,2412.33 3252.67,2335.67 v1(3233,2316)
  Bottom Layer w4.41: SB5.1@3567,2276 3582.4,2260.6 3582.4,2251.6 v1(3585,2249)
  Bottom Layer w6: v1(3676,2249) 3676,2340 3699,2363 3869,2363 v1(3992,2486)
  other v1: 3252,2413
CANHACK_RX: IC5.40 S3.3 | length 962.1
  Top Layer w6: IC5.40@3589.65,2624.13 3617.87,2624.13 3622,2620 3622,2592 3573,2543 3531,2543 3514,2526 3514,2445.2 3540,2419.2 3711.22,2419.2 3735.2,2395.22 3735.2,2301.8 3825,2212 3940.43,2212 4007.83,2279.41 S3.3@4018.66,2279.41
CANHACK_TX: IC5.41 S2.3 | length 994.9
  Top Layer w6: IC5.41@3589.65,2608.39 3562.61,2608.39 3558,2613 3473,2613 3467,2607 3467,2568.81 3503.8,2532.01 3503.8,2440.98 3535.78,2409 3707,2409 3725,2391 3725,2297.58 3820.78,2201.8 3936.2,2201.8 3978,2160 4017.25,2160 S2.3@4018.66,2161.41
CANL: DB1.2 FL1.3 IC3.33 IC3.37 R8.2 SB4.1 | length 2420.4
  Top Layer w6: IC3.37@2821.06,2537.99 2947.01,2537.99 v1(2970,2515) ; IC3.33@2917.52,2728.94 2917.52,2669.48 2933,2654 v1(3112,2654) ; v1(3454.69,2488.59) 3473,2470.28 3473,2449 3529.2,2392.8 v1(3608,2392.8) ; v1(3907,2436) 3908,2436 3929,2457 R8.2@3930,2457 3930,2494 3944.72,2508.72 FL1.3@4032.41,2508.72
  Layer 1 w6: v1(2970,2515) 2970,2540 3084,2654 v1(3112,2654) 3211,2654 3228,2637 v1(3228,2476)
  Bottom Layer w6: v1(3228,2476) 3273,2521 3422.28,2521 v1(3454.69,2488.59) ; 3489.66,2273.24 3506.24,2273.24 3506.59,2273.59 ; DB1.2@3530.94,1962.2 3530.94,2165.11 3507,2189.06 3507,2272.83 3506.59,2273.24 3506.59,2283.4 3507,2283.81 3507,2369 3530.8,2392.8 v1(3608,2392.8) 3863.8,2392.8 v1(3907,2436)
CH446_VOLT: IC5.39 R13.1 R14.2 | length 181.6
  Top Layer w6: R13.1@3447,2683 R14.2@3447,2647 3448.08,2647 3455.2,2639.88 IC5.39@3589.65,2639.88
FDCAN_RX1: IC1.46 K1.2 K1.4 R1.2 S3.1 SB7.1 SB10.1 | length 2263.5
  Top Layer w6: v1(3978,2223.4) 3978,2226 3996,2244 4041,2244 ; S3.1@4018.66,2330.59 4048.41,2330.59 4064,2315 4064,2278 4041,2255 4041,2244 ; v1(4035,2913) K1.2@4035,2883 K1.4@4205,2883 4206,2884 4271,2884 v1(4272,2885) ; v1(4333,2648) 4332.64,2647.64 4332.64,2630.1 ; IC1.46@4386.17,2630.1 4332.64,2630.1 ; 4041,2244 4064,2221 4064,2133 4077,2120 4141,2120 4257,2236 4257,2591 R1.2@4242,2606 4246.9,2610.9 4254.9,2610.9 4274.1,2630.1 4332.64,2630.1
  Layer 1 w6: v1(4272,2885) 4272,2643 4281,2634 4319,2634 v1(4333,2648)
  Bottom Layer w6: v1(3951,2667) 3951,2685 4161,2895 4262,2895 v1(4272,2885) ; SB10.1@3976,2891 4013,2891 v1(4035,2913) ; SB7.1@4307.21,2608 4330.2,2608 4333,2610.8 v1(4333,2648)
FDCAN_RX_TRANS: IC2.4 S3.4 SB7.2 | length 667
  Top Layer w6: v1(4072,2262) 4073.1,2262 4090.51,2279.41 S3.4@4101.34,2279.41 4190.41,2279.41 4218,2307 v1(4218,2556.2) ; IC2.4@4278.09,2738.39 v1(4310.61,2738.39)
  Bottom Layer w6: v1(4218,2556.2) 4218.2,2556.2 4270.77,2608.77 4270.77,2698.54 v1(4310.61,2738.39)